# Altium PCB sensor_board.PcbDoc
Units mm, origin at the board's own origin, x right, y up, seen from the top; angles counter-clockwise.
Board outline 90 x 70 mm, 2 copper layers (Top Layer, Bottom Layer), stack 1.681 mm thick; 51 components, 26 nets, 170 pads, 42 vias.
Unrouted connection lines stored in the file: 1.
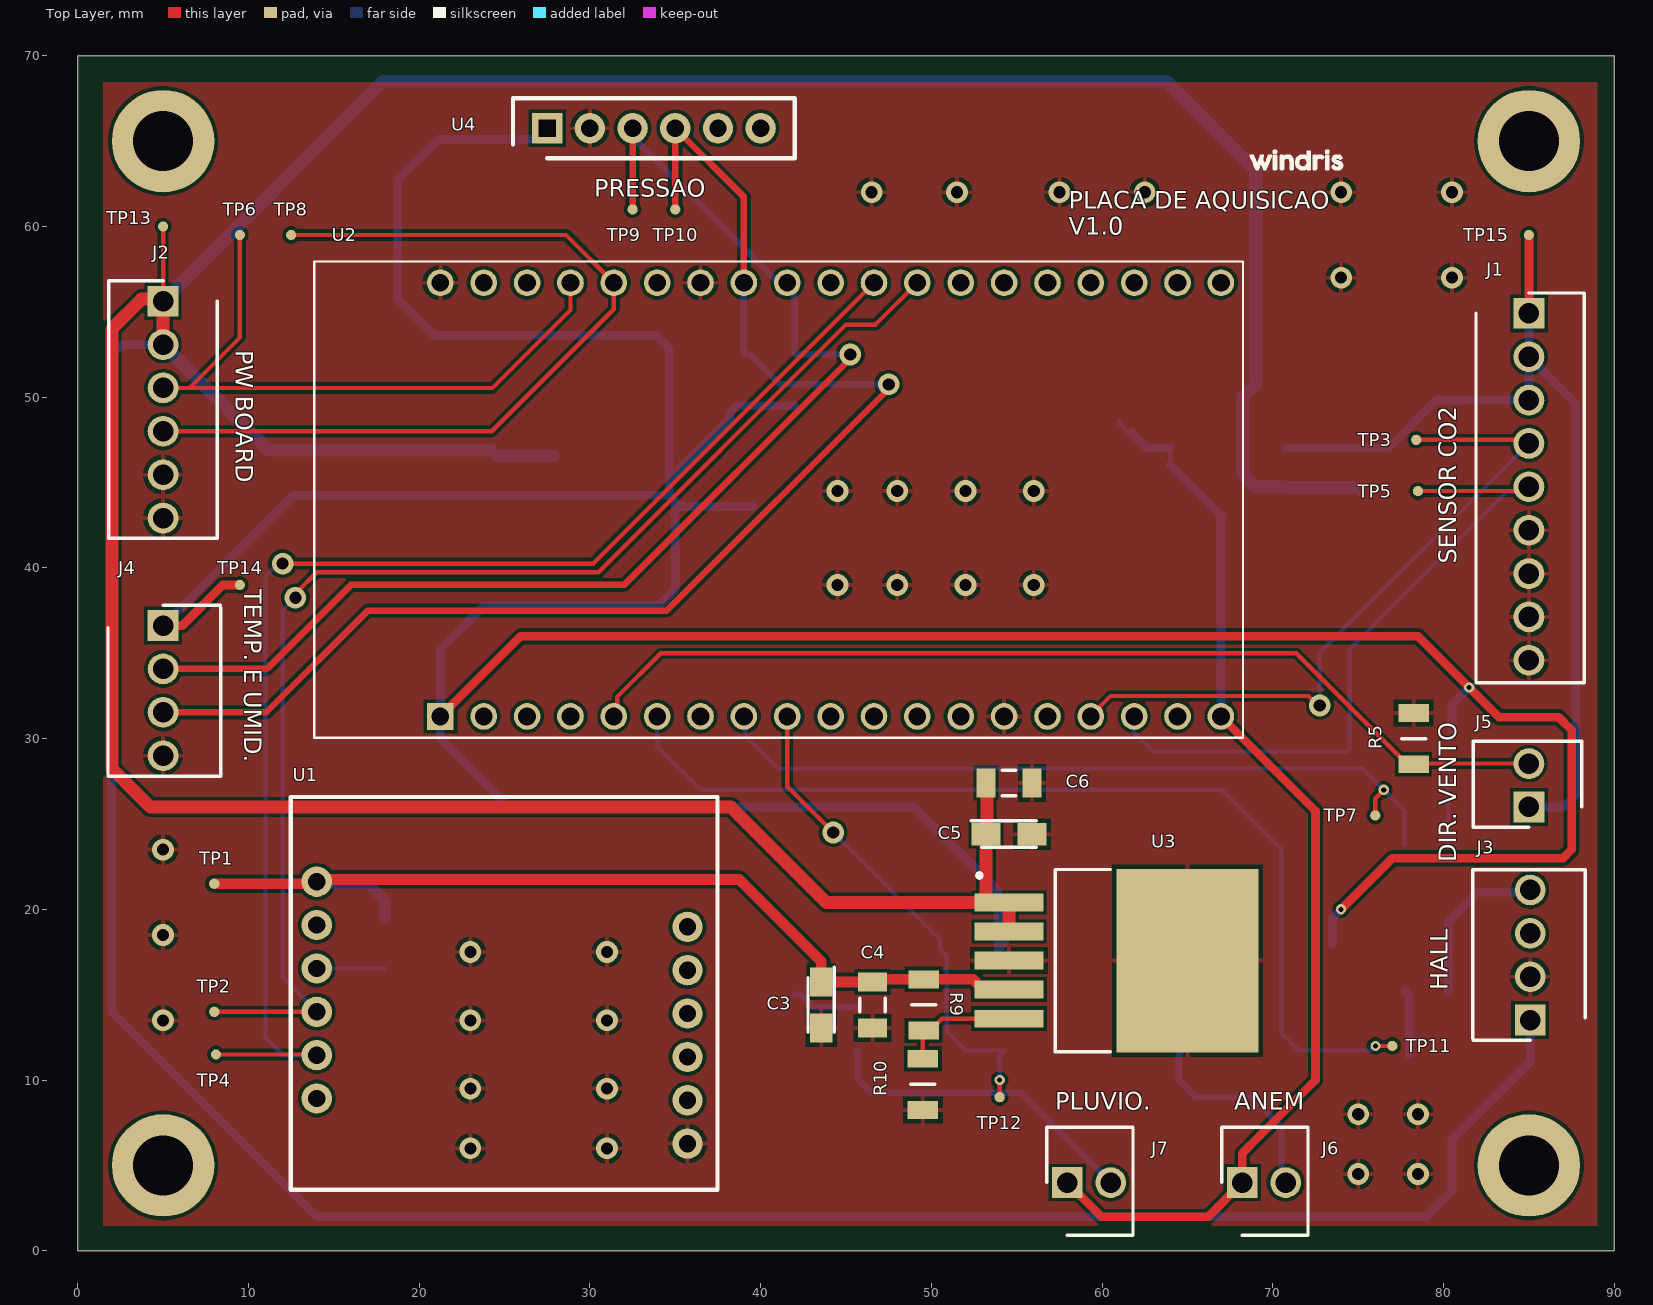
[diagram p0: Top Layer view]
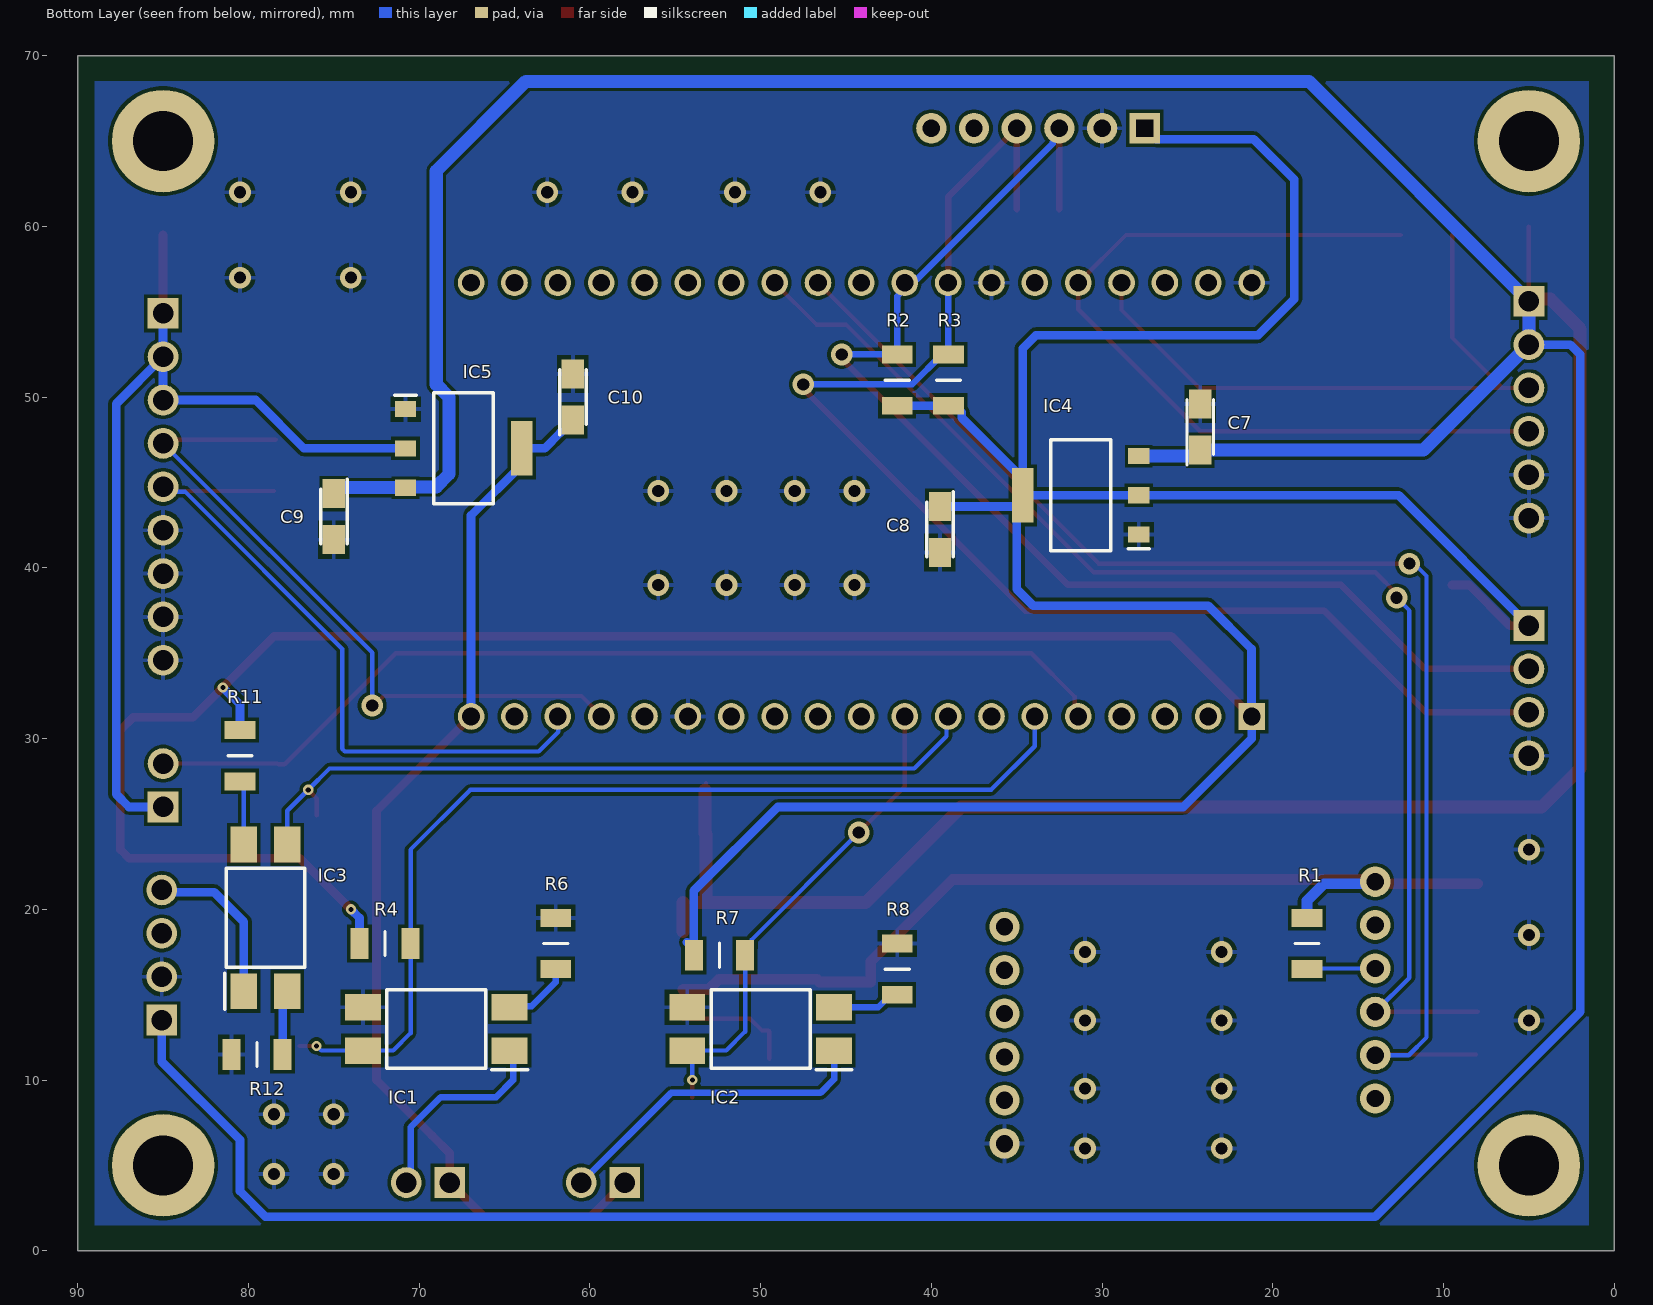
[diagram p1: Bottom Layer view, seen from below]
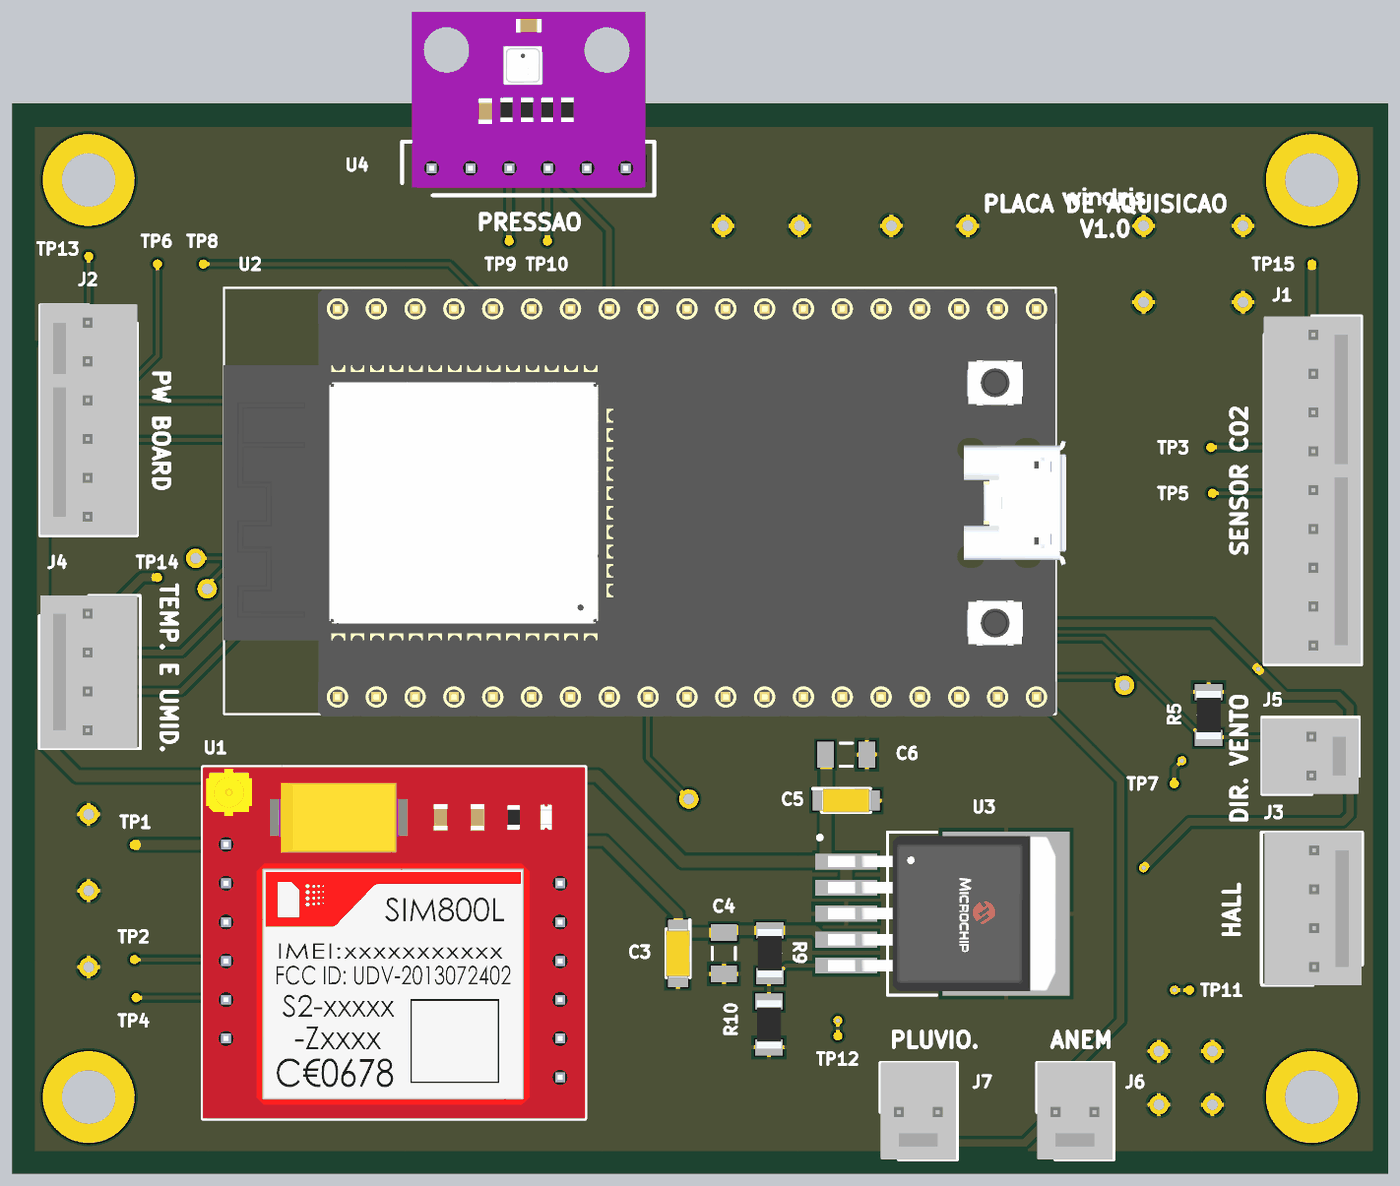
[diagram p2: 3D render of the assembled board from above, using the file's embedded part models]
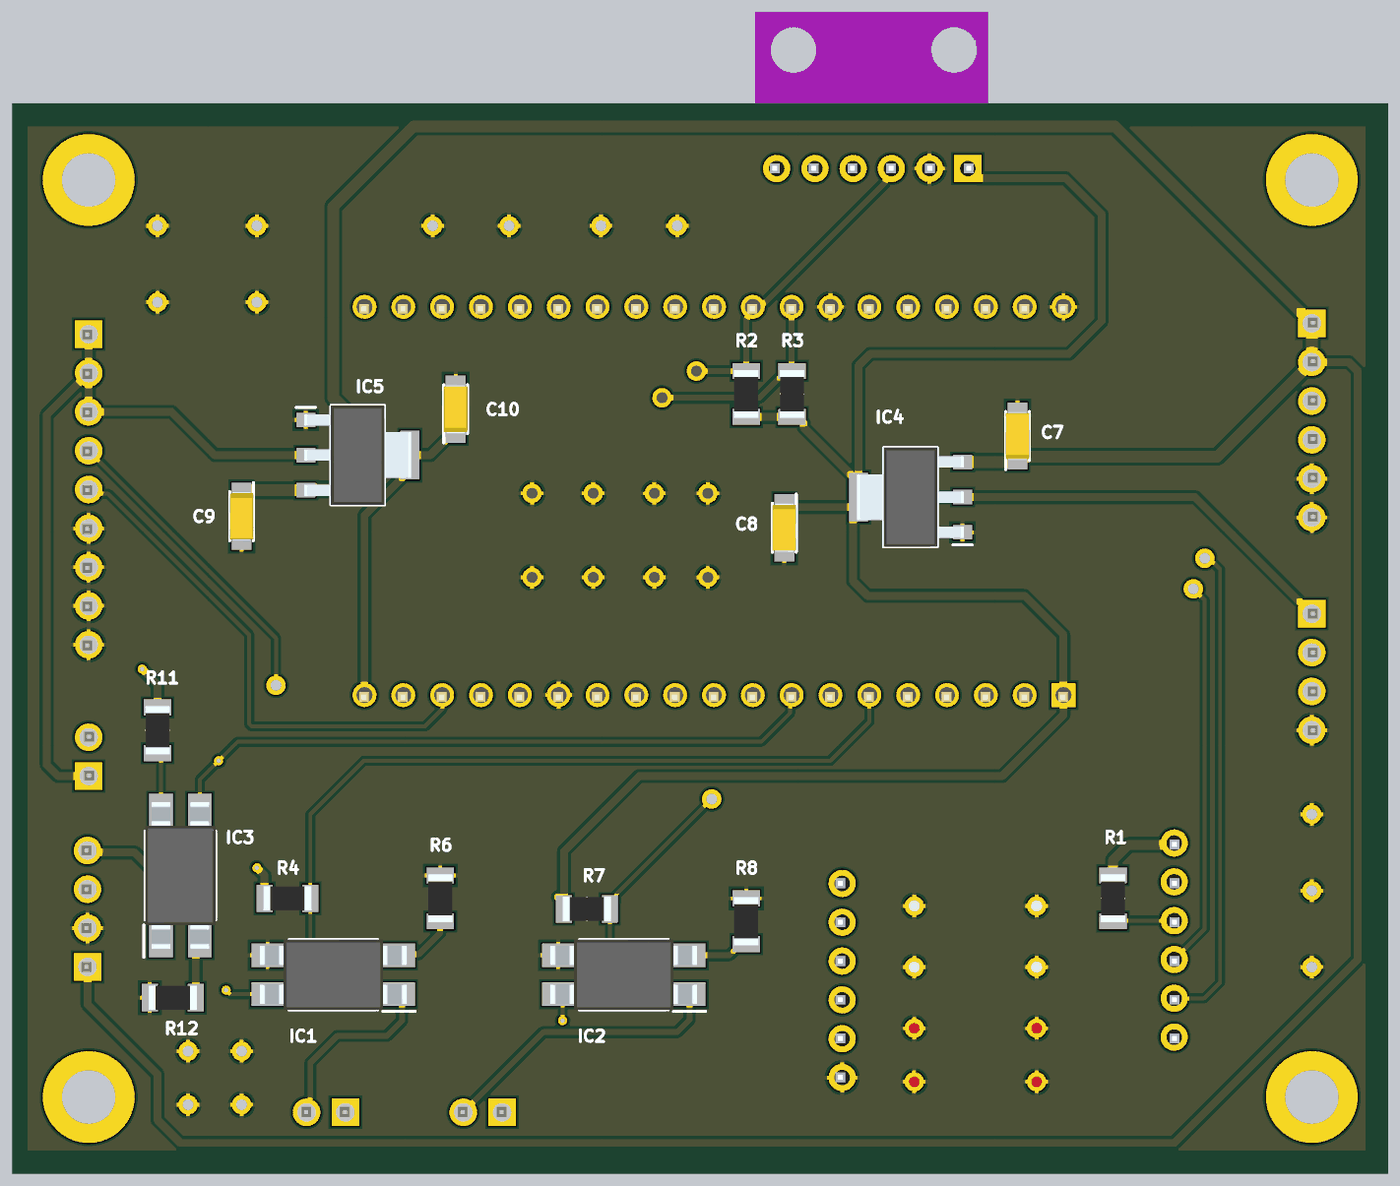
[diagram p3: 3D render of the assembled board from below, using the file's embedded part models]

## Layer stack, top to bottom
Top Solder: solder mask 0.0102, Solder Resist, Dk 3.5
Top Layer: signal copper 0.0406
Dielectric 1: dielectric 1.6, FR-4, Dk 4.8
Bottom Layer: signal copper 0.0406
Bottom Solder: solder mask 0.0102, Solder Resist, Dk 3.5

## Board outline
0,0 90,0 90,70 0,70

## Design rules (kind name [scope] priority, off if disabled: settings)
AssemblyTestpoint [All] p1: testpointundercomponent=TRUE minsize=1.016 maxsize=2.54 preferedsize=1.524 minholesize=0 maxholesize=1.016 preferedholesize=0.813 testpointgrid=0.025 usegrid=TRUE gridtolerance=0 allowsidetop=TRUE
Clearance [All] p1: gap=0.2 ignorepadtopadclearanceinfootprint=FALSE
ComponentClearance [All] p1: gap=0.025 collisioncheckmode=3 verticalgap=0.025 showdistances=FALSE
FabricationTestpoint [All] p1: side=1 testpointundercomponent=TRUE minsize=1.016 maxsize=2.54 preferedsize=1.524 minholesize=0 maxholesize=1.016 preferedholesize=0.813 testpointgrid=0.025 allowsidetop=TRUE usegrid=TRUE gridtolerance=0
PolygonConnect [All] p1: connectstyle=Relief reliefconductorwidth=0.254 reliefentries=4 polygonreliefangle="90 Angle" airgapwidth=0.254
RoutingVias [All] p1: holewidth=0.3 width=0.6 viastyle="Through Hole" minholewidth=0.3 minwidth=0.6 maxholewidth=0.3 maxwidth=0.6
SolderMaskExpansion [All] p1: expansion=0.102 istentingtop=FALSE
Width P_12V [Name = '+12V'] p1: maxlimit=1.016 minlimit=0.508 preferedwidth=0.635
Width Width_1 [Name = '+12V'] p2: maxlimit=0.254 minlimit=0.254 preferedwidth=0.254
Width [All] p3: maxlimit=10 minlimit=0.2 preferedwidth=0.254
27 further rules are at their usual default settings.

## Classes and differential pairs
component class voltage_regulators: C3 C4 C5 C6 C7 C8 C9 C10 IC4 IC5 R9 R10 TP13 TP14 TP15 U3
component class sensor_sch: IC1 IC2 IC3 J1 J2 J3 J4 J5 J6 J7 R1 R2 R3 R4 R5 R6 R7 R8 R11 R12 TP1 TP2 TP3 TP4 TP5 TP6 TP7 TP8 TP9 TP10 TP11 TP12 U1 U2 U4

## Components (designator, comment, footprint, x,y, rotation, side; value= is the part's Value field where it differs from the comment)
C3 "Cap Pol3" CAPPM3216X180N 43.548,14.404 r270 top value=22uF/16V
C4 "Cap Semi" C1206 46.548,14.404 r90 top value=100nF/16V
C5 "Cap Pol3" CAPPM3216X180N 54.548,24.404 r0 top value=22uF/16V
C6 "Cap Semi" C1206 54.548,27.404 r180 top value=1uF/16V
C7 "Cap Pol3" CAPPM3216X180N 24.25,48.25 r90 bottom value=10uF/16V
C8 "Cap Pol3" CAPPM3216X180N 39.5,42.25 r270 bottom value=22uF/16V
C9 "Cap Pol3" CAPPM3216X180N 75,43 r270 bottom value=10uF/16V
C10 "Cap Pol3" CAPPM3216X180N 61,50 r90 bottom value=22uF/16V
IC1 "PC817X2NIP1B" SOP254P960X420-4N 69,13 r0 bottom
IC2 "PC817X2NIP1B" SOP254P960X420-4N 50,13 r0 bottom
IC3 "PC817X2NIP1B" SOP254P960X420-4N 79,19.5 r90 bottom
IC4 "NCP1117LPST33T3G" SOT230P700X180-4N 31.25,44.25 r0 bottom
IC5 "NCP1117ST50T3G" SOT230P700X180-4N 67.4,47 r180 bottom
J1 "171856-0009" SHDR9W99P0X254_1X9_2271X635X818P 85,54.91 r270 top
J2 "171856-0006" HDRV6W99P0X254_1X6_1509X635X1100P 5,55.62 r270 top
J3 "171856-0004" SHDR4W99P0X254_1X4_1255X635X1124P 85.075,13.515 r90 top
J4 "171856-0004" SHDR4W99P0X254_1X4_1255X635X1124P 5,36.62 r270 top
J5 "171856-0002" SHDR2W99P0X254_1X2_493X635X818P 85,26 r90 top
J6 "171856-0002" SHDR2W99P0X254_1X2_493X635X818P 68.21,4 r0 top
J7 "171856-0002" SHDR2W99P0X254_1X2_493X635X818P 57.96,4 r0 top
R1 "Res2" RESC3216X60N 18,18 r90 bottom value=10K,1/4,5%
R2 "Res2" RESC3216X60N 42,51 r270 bottom value=2K2,1/4,5%
R3 "Res2" RESC3216X60N 39,51 r270 bottom value=2K2,1/4,5%
R4 "Res2" RESC3216X60N 72,18 r0 bottom value=10K,1/4,5%
R5 "Res2" RESC3216X60N 78.25,30 r270 top value=10K,1/4,5%
R6 "Res2" RESC3216X60N 62,18 r270 bottom value=470R,1/4,5%
R7 "Res2" RESC3216X60N 52.411,17.306 r0 bottom value=10K,1/4,5%
R8 "Res2" RESC3216X60N 42,16.5 r270 bottom value=470R,1/4,5%
R9 "Res2" RESC3216X60N 49.548,14.404 r90 top value=100K,1/4,5%
R10 "Res2" RESC3216X60N 49.5,9.75 r90 top value=43K,1/4,5%
R11 "Res2" RESC3216X60N 80.5,29 r90 bottom value=10K,1/4,5%
R12 "Res2" RESC3216X60N 79.5,11.5 r180 bottom value=470R,1/4,5%
TP1 "TPAD6R" TP06R 8,21.5 r90 top
TP2 "TPAD6R" TP06R 8,14 r90 top
TP3 "TPAD6R" TP06R 78.401,47.5 r90 top
TP4 "TPAD6R" TP06R 8.099,11.5 r90 top
TP5 "TPAD6R" TP06R 78.5,44.5 r90 top
TP6 "TPAD6R" TP06R 9.5,59.5 r90 top
TP7 "TPAD6R" TP06R 76,25.5 r90 top
TP8 "TPAD6R" TP06R 12.5,59.5 r90 top
TP9 "TPAD6R" TP06R 32.5,61 r90 top
TP10 "TPAD6R" TP06R 35,61 r90 top
TP11 "TPAD6R" TP06R 77,12 r90 top
TP12 "TPAD6R" TP06R 54,9 r90 top
TP13 "TPAD6R" TP06R 5,60 r90 top
TP14 "TPAD6R" TP06R 9.5,39 r90 top
TP15 "TPAD6R" TP06R 85,59.5 r90 top
U1 "SIM800L" SIM800L 12.476,3.586 r0 top
U2 "ESP32-DEVKITC-32D" MODULE_ESP32-DEVKITC-32D 41,44 r90 top
U3 "MIC29302WU-TR" FP-C04-012-MFG 62.085,17 r270 top
U4 "BME280" BME280 41.5,64.5 r90 top

## Footprints (in the part's own frame and the unit in brackets; to place one, negate y for a bottom-side part, rotate by r counter-clockwise, add the part's x,y. Pads: shape width x height; smd on the part's side, far side on the other; paste and mask are expansions set on the pad)
BME280 [mil]
  rect 70x70 hole 40 square: 1(49.21,551.18)
  round 70 hole 40: 2(49.21,452.76) 3(49.21,354.33) 4(49.21,255.91) 5(49.21,157.48) 6(49.21,59.06)
  silkscreen extent -20,-20 118,630, body extent 0,0 453,604, height 218
C1206 [mm] "Chip Capacitor, Body 3.2x1.6mm, IPC High Density"
  rect 1.1x1.7 smd: 1(-1.35,0) 2(1.35,0)
  silkscreen extent -0.4,-0.75 0.4,0.75, body extent -1.7,-0.9 1.7,0.9, height 1.3
CAPPM3216X180N [mm]
  rect 1.7x1.3 smd: 1(-1.35,0) 2(1.35,0)
  silkscreen extent -2.2,-0.77 1.6,0.77, body extent -1.6,-0.77 1.6,0.77, height 1.8
FP-C04-012-MFG [mil]
  rect 41x159 smd paste+0 mask+0: 1(-134,-296.75) 2(-67,-296.75) 3(0,-296.75) 4(67,-296.75) 5(134,-296.75)
  rect 423x327 smd paste+0 mask+0: 6(0,114.75)
  silkscreen extent -210,-370 210,-64, body extent -200,-344 200,245, height 200
HDRV6W99P0X254_1X6_1509X635X1100P [mm]
  rect 1.8x1.8 hole 1.2: 1(0,0)
  round 1.8 hole 1.2: 2(2.54,0) 3(5.08,0) 4(7.62,0) 5(10.16,0) 6(12.7,0)
  silkscreen extent -1.19,-3.18 13.89,3.18, body extent -1.24,-3.17 13.84,3.17, height 10.63
MODULE_ESP32-DEVKITC-32D [mm]
  rect 1.56x1.56 hole 1.04: 1(-12.7,19.76)
  round 1.56 hole 1.04: 2(-12.7,17.22) 3(-12.7,14.68) 4(-12.7,12.14) 5(-12.7,9.6) 6(-12.7,7.06) 7(-12.7,4.52) 8(-12.7,1.98) 9(-12.7,-0.56) 10(-12.7,-3.1) 11(-12.7,-5.64) 12(-12.7,-8.18) 13(-12.7,-10.72) 14(-12.7,-13.26) 15(-12.7,-15.8) 16(-12.7,-18.34) 17(-12.7,-20.88) 18(-12.7,-23.42) 19(-12.7,-25.96) 20(12.7,19.76) 21(12.7,17.22) 22(12.7,14.68) 23(12.7,12.14) 24(12.7,9.6) 25(12.7,7.06) 26(12.7,4.52) 27(12.7,1.98) 28(12.7,-0.56) 29(12.7,-3.1) 30(12.7,-5.64) 31(12.7,-8.18) 32(12.7,-10.72) 33(12.7,-13.26) 34(12.7,-15.8) 35(12.7,-18.34) 36(12.7,-20.88) 37(12.7,-23.42) 38(12.7,-25.96)
  silkscreen extent -13.95,-27.25 13.95,27.15, body extent -14.1,-27.93 13.84,27.17, height 6.7
RESC3216X60N [mm]
  rect 1.05x1.8 smd: 1(-1.5,0) 2(1.5,0)
  silkscreen extent 0,-0.7 0,0.7, body extent -1.57,-0.8 1.58,0.8, height 0.6
SHDR2W99P0X254_1X2_493X635X818P [mm]
  rect 1.8x1.8 hole 1.2: 1(0,0)
  round 1.8 hole 1.2: 2(2.54,0)
  silkscreen extent -1.19,-3.1 3.85,3.25, body extent -1.16,-3.07 3.76,3.28, height 10.63
SHDR4W99P0X254_1X4_1255X635X1124P [mm]
  rect 1.8x1.8 hole 1.2: 1(0,0)
  round 1.8 hole 1.2: 2(2.54,0) 3(5.08,0) 4(7.62,0)
  silkscreen extent -1.19,-3.23 8.82,3.37, body extent -1.19,-3.17 8.81,3.17, height 10.63
SHDR9W99P0X254_1X9_2271X635X818P [mm]
  rect 1.8x1.8 hole 1.2: 1(0,0)
  round 1.8 hole 1.2: 2(2.54,0) 3(5.08,0) 4(7.62,0) 5(10.16,0) 6(12.7,0) 7(15.24,0) 8(17.78,0) 9(20.32,0)
  silkscreen extent -1.19,-3.1 21.63,3.25, body extent -1.15,-3.15 21.55,3.2, height 10.63
SIM800L [mil]
  round 70 hole 40: 1(60,710) 2(60,610) 3(60,510) 4(60,410) 5(60,310) 6(60,210) 7(915,105.94) 8(915,205.94) 9(915,305.94) 10(915,405.94) 11(915,505.94) 12(915,605.94)
  silkscreen extent 0,0 984,906, body extent 0,0 984,911, height 269
SOP254P960X420-4N [mm]
  rect 2.1x1.55 smd: 1(-4.3,1.27) 2(-4.3,-1.27) 3(4.3,-1.27) 4(4.3,1.27)
  silkscreen extent -5.35,-2.3 2.9,2.39, body extent -4.8,-2.3 4.8,2.3, height 4.2
SOT230P700X180-4N [mm]
  rect 1.25x0.95 smd: 1(-3.4,2.3) 2(-3.4,0) 3(-3.4,-2.3)
  rect 1.25x3.2 smd: 4(3.4,0)
  silkscreen extent -4.03,-3.25 1.75,3.25, body extent -3.5,-3.25 3.5,3.25, height 1.8
TP06R [mm] "Testpoint, round, d=0.6mm"
  round 0.6 smd paste-1: 1(0,0)

## Part data
C3 C5 C8 C10: "Polarized Capacitor (Surface Mount)", Manufacturer=KEMET, Manufacturer Part Number=TF08A226M016APE200, Supplier Part Number 1=80-TF08A226M16APE200, LatestRevisionDate=29-May-2009, LatestRevisionNote="IPC-7351 Footprint Added.", PackageDescription="Chip Capacitor", PackageReference=C0805, Pricing 1="1=1.80000, 10=1.31000, 50=1.31000, 100=0.96000, 1000=0.65400, 10000=0.65400 (USD)", Published=8-Jun-2000, Publisher="Altium Limited", RoHS=Yes, Stock 1=1247, Supplier 1=Mouser
C4: "Capacitor (Semiconductor SIM Model)", Manufacturer=KEMET, Manufacturer Part Number=C1206X104G4HACTU, Supplier Part Number 1=80-C1206X104G4HACTU, Category=Capacitors, LatestRevisionDate=29-May-2009, LatestRevisionNote="IPC-7351 Footprint Added.", PackageDescription="Chip Capacitor", PackageReference=C1206, Pricing 1="1=1.11000, 10=0.78000, 50=0.78000, 100=0.50000, 1000=0.39500, 10000=0.28500 (USD)", Published=8-Jun-2000, Publisher="Altium Limited", RoHS=Yes, RoHS Compliant=Yes, Stock 1=2013, Supplier 1=Mouser
C6: "CAP CER 1206 1UF 16V X7R 10%", Manufacturer=KEMET, Manufacturer Part Number=C1206C105K4REC7210, Supplier Part Number 1=80-C1206C105K4RECLR, Category="Ceramic Capacitors", ComponentLink1Description=https://api.kemet.com/component-edge/download/datasheet/C1206C105K4REC7210.pdf?src-supplier=Digi-Key, ComponentLink1URL=https://api.kemet.com/component-edge/download/datasheet/C1206C105K4REC7210.pdf?src-supplier=Digi-Key, LatestRevisionDate=29-May-2009, LatestRevisionNote="IPC-7351 Footprint Added.", PackageDescription="Chip Capacitor", PackageReference=C1206, Pricing 1="1=0.34000, 10=0.20000, 50=0.20000, 100=0.12000, 1000=0.10300, 10000=0.07000 (USD)", Published=8-Jun-2000, Publisher="Altium Limited", RoHS=Yes, RoHS Compliant=Yes, Stock 1=8446, Supplier 1=Mouser
C7 C9: "AVX - TCJA106M016R0200 - Tantalum Polymer Capacitor, 10 µF, 16 V, TCJ Series, ± 20%, A, 0.2 ohm", Capacitance=10uF, Case Code (Imperial)=1206, Case Code (Metric)=3216, Dielectric Material=Tantalum, ESR (Equivalent Series Resistance)=200mR, Leakage Current=16uA, Manufacturer="Kyocera AVX", Manufacturer Part Number=TCJA106M016R0200, Max Operating Temperature=125°C, Min Operating Temperature=-55°C, Package Quantity=1, Supplier Part Number 1=581-TCJA106M16R200, Tolerance=20%, Voltage=16V, Case/Package=1206, Category="Tantalum Capacitors", ComponentLink1Description=https://datasheet.ciiva.com/11793/0900766b80eff593-11793323.pdf?src-supplier=RSComponents, ComponentLink1URL=https://datasheet.ciiva.com/11793/0900766b80eff593-11793323.pdf?src-supplier=RSComponents, ComponentLink2Description=https://datasheet.ciiva.com/22706/1805435-22706880.pdf?src-supplier=Element14, ComponentLink2URL=https://datasheet.ciiva.com/22706/1805435-22706880.pdf?src-supplier=Element14, ComponentLink3Description=https://datasheet.ciiva.com/264/tcj-264055.pdf?src-supplier=Digi-Key, ComponentLink3URL=https://datasheet.ciiva.com/264/tcj-264055.pdf?src-supplier=Digi-Key, ComponentLink4Description=https://datasheet.ciiva.com/264/tcj-264056.pdf?src-supplier=Digi-Key, ComponentLink4URL=https://datasheet.ciiva.com/264/tcj-264056.pdf?src-supplier=Digi-Key, ComponentLink5Description=https://datasheet.ciiva.com/264/tcj-264057.pdf?src-supplier=Digi-Key, ComponentLink5URL=https://datasheet.ciiva.com/264/tcj-264057.pdf?src-supplier=Digi-Key, ComponentLink6Description=https://datasheet.ciiva.com/11230/tcj-11230524.pdf?src-supplier=Avnet, ComponentLink6URL=https://datasheet.ciiva.com/11230/tcj-11230524.pdf?src-supplier=Avnet, ComponentLink7Description=https://datasheet.ciiva.com/16493/tcj-16493481.pdf?src-supplier=Future+Electronics, ComponentLink7URL=https://datasheet.ciiva.com/16493/tcj-16493481.pdf?src-supplier=Future+Electronics, ComponentLink8Description=https://datasheet.ciiva.com/14593/70001813-14593228.pdf?src-supplier=Allied+Electronics, ComponentLink8URL=https://datasheet.ciiva.com/14593/70001813-14593228.pdf?src-supplier=Allied+Electronics, ComponentLink9Description=https://datasheet.ciiva.com/7730/1805435-7730829.pdf?src-supplier=Element14, ComponentLink9URL=https://datasheet.ciiva.com/7730/1805435-7730829.pdf?src-supplier=Element14, ComponentLink10Description=https://datasheet.ciiva.com/7730/1805435-7730830.pdf?src-supplier=Element14, ComponentLink10URL=https://datasheet.ciiva.com/7730/1805435-7730830.pdf?src-supplier=Element14, ComponentLink11Description=https://datasheet.ciiva.com/7730/1805435-7730831.pdf?src-supplier=Element14, ComponentLink11URL=https://datasheet.ciiva.com/7730/1805435-7730831.pdf?src-supplier=Element14, ComponentLink12Description=https://datasheet.ciiva.com/14596/70001813-14596970.pdf?src-supplier=Allied+Electronics, ComponentLink12URL=https://datasheet.ciiva.com/14596/70001813-14596970.pdf?src-supplier=Allied+Electronics, Depth=1.6mm, Dissipation Factor=6%, Height=1.6mm, Height - Seated (Max)=0.071inch, LatestRevisionDate=29-May-2009, LatestRevisionNote="IPC-7351 Footprint Added.", Lead Free="Lead Free", Length=3.2mm, Mount="Surface Mount,PCB", Number of Pins=2, PackageDescription="Chip Capacitor", PackageReference=C0805, Packaging="Tape and Reel", Polarity=Polar, Pricing 1="1=0.71000, 10=0.52200, 50=0.52200, 100=0.35800, 1000=0.23800, 10000=0.18800 (USD)", Published=8-Jun-2000, Publisher="Altium Limited", Radiation Hardening=No, REACH SVHC="No SVHC", RoHS=Yes, RoHS Compliant=Yes, Stock 1=21788, Supplier 1=Mouser, Termination=SMD/SMT, Voltage rating=16V, Voltage Rating (DC)=16V, Width=1.6mm
IC1 IC2 IC3: "Transistor Output Optocouplers Photocoupler", Manufacturer=Sharp, Manufacturer_Name="Sharp Microelectronics", Mouser Part Number=852-PC817X2NIP1B, Arrow Part Number=PC817X2NIP1B, Arrow Price/Stock=https://www.arrow.com/en/products/pc817x2nip1b/sharp, Category=Optocouplers, Datasheet Link=https://global.sharp/products/device/lineup/data/pdf/datasheet/PC817XxNSZ1B_e.pdf, Height=4.2mm, Manufacturer Part Number=PC817X2NIP1B, Manufacturer_Part_Number=PC817X2NIP1B, Mouser Price/Stock=https://www.mouser.co.uk/ProductDetail/Sharp-Microelectronics/PC817X2NIP1B?qs=rrS6PyfT74d%252BYyTnGmD7xQ%3D%3D, Pricing 1="1=0.51000, 10=0.33400, 50=0.33400, 100=0.21900, 1000=0.17300, 10000=0.14100 (USD)", RoHS=Yes, RoHS Compliant=Yes, Stock 1=7, Supplier 1=Mouser, Supplier Part Number 1=852-PC817X2NIP1B
IC4: library part NCP1117ST33T3G, "ON SEMICONDUCTOR - NCP1117LPST33T3G - Fixed LDO Voltage Regulator, 18V in, 1.3V Dropout, 3.3V/1A out, SOT-223-3", Case/Package=SOT-223, Dropout Voltage=1.3V, Manufacturer="ON Semiconductor", Max Input Voltage=18V, Max Operating Temperature=125°C, Max Output Current=1A, Min Current Limit=1.1A, Min Input Voltage=-300mV, Min Operating Temperature=0°C, Min Output Voltage=3.3V, Package Quantity=1, Power Supply Rejection Ratio (PSRR)=60dB, Quiescent Current=700uA, Reference Voltage=1.275V, Supplier Part Number 1=863-NCP1117LPST33T3G, Category="Voltage Regulators - Linear", ComponentLink1Description=https://datasheet.ciiva.com/8231/ncp1117lp-d-8231034.pdf?src-supplier=Avnet, ComponentLink1URL=https://datasheet.ciiva.com/8231/ncp1117lp-d-8231034.pdf?src-supplier=Avnet, ComponentLink2Description=https://datasheet.ciiva.com/8233/ncp1117lp-d-8233561.pdf?src-supplier=Avnet, ComponentLink2URL=https://datasheet.ciiva.com/8233/ncp1117lp-d-8233561.pdf?src-supplier=Avnet, ComponentLink3Description=https://datasheet.ciiva.com/6590/ncp1117lp-d-6590870.pdf?src-supplier=Digi-Key, ComponentLink3URL=https://datasheet.ciiva.com/6590/ncp1117lp-d-6590870.pdf?src-supplier=Digi-Key, ComponentLink4Description=https://datasheet.ciiva.com/6590/ncp1117lp-d-6590872.pdf?src-supplier=Digi-Key, ComponentLink4URL=https://datasheet.ciiva.com/6590/ncp1117lp-d-6590872.pdf?src-supplier=Digi-Key, ComponentLink5Description=https://datasheet.ciiva.com/6590/ncp1117lp-d-6590873.pdf?src-supplier=Digi-Key, ComponentLink5URL=https://datasheet.ciiva.com/6590/ncp1117lp-d-6590873.pdf?src-supplier=Digi-Key, ComponentLink6Description=https://datasheet.ciiva.com/4887/ncp1117lp-d-82673-4887580.pdf?src-supplier=Mouser, ComponentLink6URL=https://datasheet.ciiva.com/4887/ncp1117lp-d-82673-4887580.pdf?src-supplier=Mouser, ComponentLink7Description=https://datasheet.ciiva.com/16468/ncp1117lp-d-16468566.pdf?src-supplier=Future+Electronics, ComponentLink7URL=https://datasheet.ciiva.com/16468/ncp1117lp-d-16468566.pdf?src-supplier=Future+Electronics, Contact Plating=Tin,Matte, Halogen Free="Halogen Free", Height=1.69mm, Lead Free="Lead Free", Length=6.7mm, Manufacturer Part Number=NCP1117LPST33T3G, Mount="Surface Mount", Nominal Output Voltage=3.3V, Number of Outputs=1, Number of Pins=3, Number of Regulators=1, Output Current=1A, Output Type=Fixed, Output Voltage=3.3V, Packaging="Tape and Reel", Polarity=Positive, Pricing 1="1=0.49000, 10=0.36000, 50=0.36000, 100=0.24300, 1000=0.15100, 10000=0.12100 (USD)", REACH SVHC="No SVHC", RoHS=Yes, RoHS Compliant=Yes, Series=-, Stock 1=1680, Supplier 1=Mouser, Width=3.7mm
IC5: "ON SEMICONDUCTOR - NCP1117ST50T3G - Fixed LDO Voltage Regulator, 3.5V to 20V, 1.07V Dropout, 5Vout, 1Aout, SOT-223-3", Case/Package=SOT-223, Dropout Voltage=1.07V, Input Bias Current=6mA, Manufacturer="ON Semiconductor", Manufacturer Part Number=NCP1117ST33T3G, Max Input Voltage=20V, Max Operating Temperature=125°C, Max Output Current=1A, Max Output Voltage=3.3V, Max Supply Voltage=15V, Min Input Voltage=3.5V, Min Operating Temperature=0°C, Min Supply Voltage=4.75V, Mouser Part Number=863-NCP1117ST50T3G, Output Voltage Accuracy=1%, Package Quantity=1, Power Rating=781mW, Quiescent Current=10mA, Reference Voltage=1.25V, Supplier Part Number 1=863-NCP1117ST33T3G, Accuracy=1%, Arrow Part Number=NCP1117ST50T3G, Arrow Price/Stock=https://www.arrow.com/en/products/ncp1117st50t3g/on-semiconductor, Category="Voltage Regulators - Linear", ComponentLink1Description=https://datasheet.ciiva.com/3224/ncp1117-d-3224144.pdf?src-supplier=Avnet, ComponentLink1URL=https://datasheet.ciiva.com/3224/ncp1117-d-3224144.pdf?src-supplier=Avnet, ComponentLink2Description=https://datasheet.ciiva.com/15111/getdatasheetpartid-82718-15111483.pdf?src-supplier=Verical, ComponentLink2URL=https://datasheet.ciiva.com/15111/getdatasheetpartid-82718-15111483.pdf?src-supplier=Verical, ComponentLink3Description=https://datasheet.ciiva.com/22697/1726422-22697602.pdf?src-supplier=Element14, ComponentLink3URL=https://datasheet.ciiva.com/22697/1726422-22697602.pdf?src-supplier=Element14, ComponentLink4Description=https://datasheet.ciiva.com/2042/ncp1117-d-2042027.pdf?src-supplier=Digi-Key, ComponentLink4URL=https://datasheet.ciiva.com/2042/ncp1117-d-2042027.pdf?src-supplier=Digi-Key, ComponentLink5Description=https://datasheet.ciiva.com/2042/ncp1117-d-2042028.pdf?src-supplier=Digi-Key, ComponentLink5URL=https://datasheet.ciiva.com/2042/ncp1117-d-2042028.pdf?src-supplier=Digi-Key, ComponentLink6Description=https://datasheet.ciiva.com/2042/ncp1117-d-2042029.pdf?src-supplier=Digi-Key, ComponentLink6URL=https://datasheet.ciiva.com/2042/ncp1117-d-2042029.pdf?src-supplier=Digi-Key, ComponentLink7Description=https://datasheet.ciiva.com/8233/ncp1117-d-8233589.pdf?src-supplier=Avnet, ComponentLink7URL=https://datasheet.ciiva.com/8233/ncp1117-d-8233589.pdf?src-supplier=Avnet, ComponentLink8Description=https://datasheet.ciiva.com/8073/1726422-8073735.pdf?src-supplier=Element14, ComponentLink8URL=https://datasheet.ciiva.com/8073/1726422-8073735.pdf?src-supplier=Element14, ComponentLink9Description=https://datasheet.ciiva.com/28483/1748260-28483307.pdf?src-supplier=Element14, ComponentLink9URL=https://datasheet.ciiva.com/28483/1748260-28483307.pdf?src-supplier=Element14, ComponentLink10Description=https://datasheet.ciiva.com/16382/ncp1117-d-16382636.pdf?src-supplier=Future+Electronics, ComponentLink10URL=https://datasheet.ciiva.com/16382/ncp1117-d-16382636.pdf?src-supplier=Future+Electronics, ComponentLink11Description=https://datasheet.ciiva.com/28483/1748260-28483320.pdf?src-supplier=Element14, ComponentLink11URL=https://datasheet.ciiva.com/28483/1748260-28483320.pdf?src-supplier=Element14, ComponentLink12Description=https://datasheet.ciiva.com/2042/ncp1117-d-2042018.pdf?src-supplier=Digi-Key, ComponentLink12URL=https://datasheet.ciiva.com/2042/ncp1117-d-2042018.pdf?src-supplier=Digi-Key, ComponentLink13Description=https://datasheet.ciiva.com/2042/ncp1117-d-2042019.pdf?src-supplier=Digi-Key, ComponentLink13URL=https://datasheet.ciiva.com/2042/ncp1117-d-2042019.pdf?src-supplier=Digi-Key, ComponentLink14Description=https://datasheet.ciiva.com/2042/ncp1117-d-2042020.pdf?src-supplier=Digi-Key, ComponentLink14URL=https://datasheet.ciiva.com/2042/ncp1117-d-2042020.pdf?src-supplier=Digi-Key, ComponentLink15Description=https://datasheet.ciiva.com/8231/ncp1117-d-8231068.pdf?src-supplier=Avnet, ComponentLink15URL=https://datasheet.ciiva.com/8231/ncp1117-d-8231068.pdf?src-supplier=Avnet, ComponentLink16Description=https://datasheet.ciiva.com/8233/ncp1117-d-8233593.pdf?src-supplier=Avnet, ComponentLink16URL=https://datasheet.ciiva.com/8233/ncp1117-d-8233593.pdf?src-supplier=Avnet, ComponentLink17Description=https://datasheet.ciiva.com/16491/ncp1117-d-16491895.pdf?src-supplier=Avnet+Asia, ComponentLink17URL=https://datasheet.ciiva.com/16491/ncp1117-d-16491895.pdf?src-supplier=Avnet+Asia, ComponentLink18Description=https://datasheet.ciiva.com/16209/ncp1117-d-16209561.pdf?src-supplier=Future+Electronics, ComponentLink18URL=https://datasheet.ciiva.com/16209/ncp1117-d-16209561.pdf?src-supplier=Future+Electronics, ComponentLink19Description=https://datasheet.ciiva.com/8073/ncp1117-d-8073736.pdf?src-supplier=Element14, ComponentLink19URL=https://datasheet.ciiva.com/8073/ncp1117-d-8073736.pdf?src-supplier=Element14, ComponentLink20Description=https://datasheet.ciiva.com/8073/ncp1117-d-8073902.pdf?src-supplier=Element14, ComponentLink20URL=https://datasheet.ciiva.com/8073/ncp1117-d-8073902.pdf?src-supplier=Element14, ComponentLink21Description=https://datasheet.ciiva.com/25978/ncp1117-d-25978293.pdf?src-supplier=Avnet+Europe, ComponentLink21URL=https://datasheet.ciiva.com/25978/ncp1117-d-25978293.pdf?src-supplier=Avnet+Europe, Contact Plating=Tin,Matte, Datasheet Link=http://www.onsemi.com/pub/Collateral/NCP1117-D.PDF, Halogen Free="Halogen Free", Height=1.8mm, Lead Free="Lead Free", Length=6.7mm, Manufacturer_Name="ON Semiconductor", Manufacturer_Part_Number=NCP1117ST50T3G, Min Current Limit=1A, Min Output Voltage=3.3V, Mount="Surface Mount", Mouser Price/Stock=https://www.mouser.co.uk/ProductDetail/ON-Semiconductor/NCP1117ST50T3G/?qs=Gev%252BmEvV0ib6dijy6U0dhQ%3D%3D, Nominal Output Voltage=3.3V, Number of Outputs=1, Number of Pins=3, Number of Regulators=1, Output Current=1A, Output Type=Fixed, Output Voltage=3.3V, Packaging="Tape and Reel", Polarity=Positive, Pricing 1="1=0.56000, 10=0.47900, 50=0.47900, 100=0.33200, 1000=0.21700, 10000=0.17400 (USD)", Pricing 2="1=0.48000, 10=0.38400, 50=0.38400, 100=0.28500, 1000=0.18700, 10000=0.15200 (USD)", Radiation Hardening=No, REACH SVHC="No SVHC", RoHS=Yes, RoHS Compliant=Yes, Stock 2=142, Supplier 1=Mouser, Supplier 2=Mouser, Supplier Part Number 2=863-NCP1117ST50T3G, Termination=SMD/SMT, Tolerance=1%, Width=3.7mm